# Altium PCB PCB1.PcbDoc (part 4 of 15)
Units mil, origin at the board's own origin, x right, y up, seen from the top; angles counter-clockwise.
Board outline 9210.27 x 4350.4 mil, 4 copper layers (Top Layer, Layer 1, Layer 2, Bottom Layer), stack 23.756 mil thick; 1550 components, 1731 nets, 5200 pads, 1882 vias.
Unrouted connection lines stored in the file: 605.
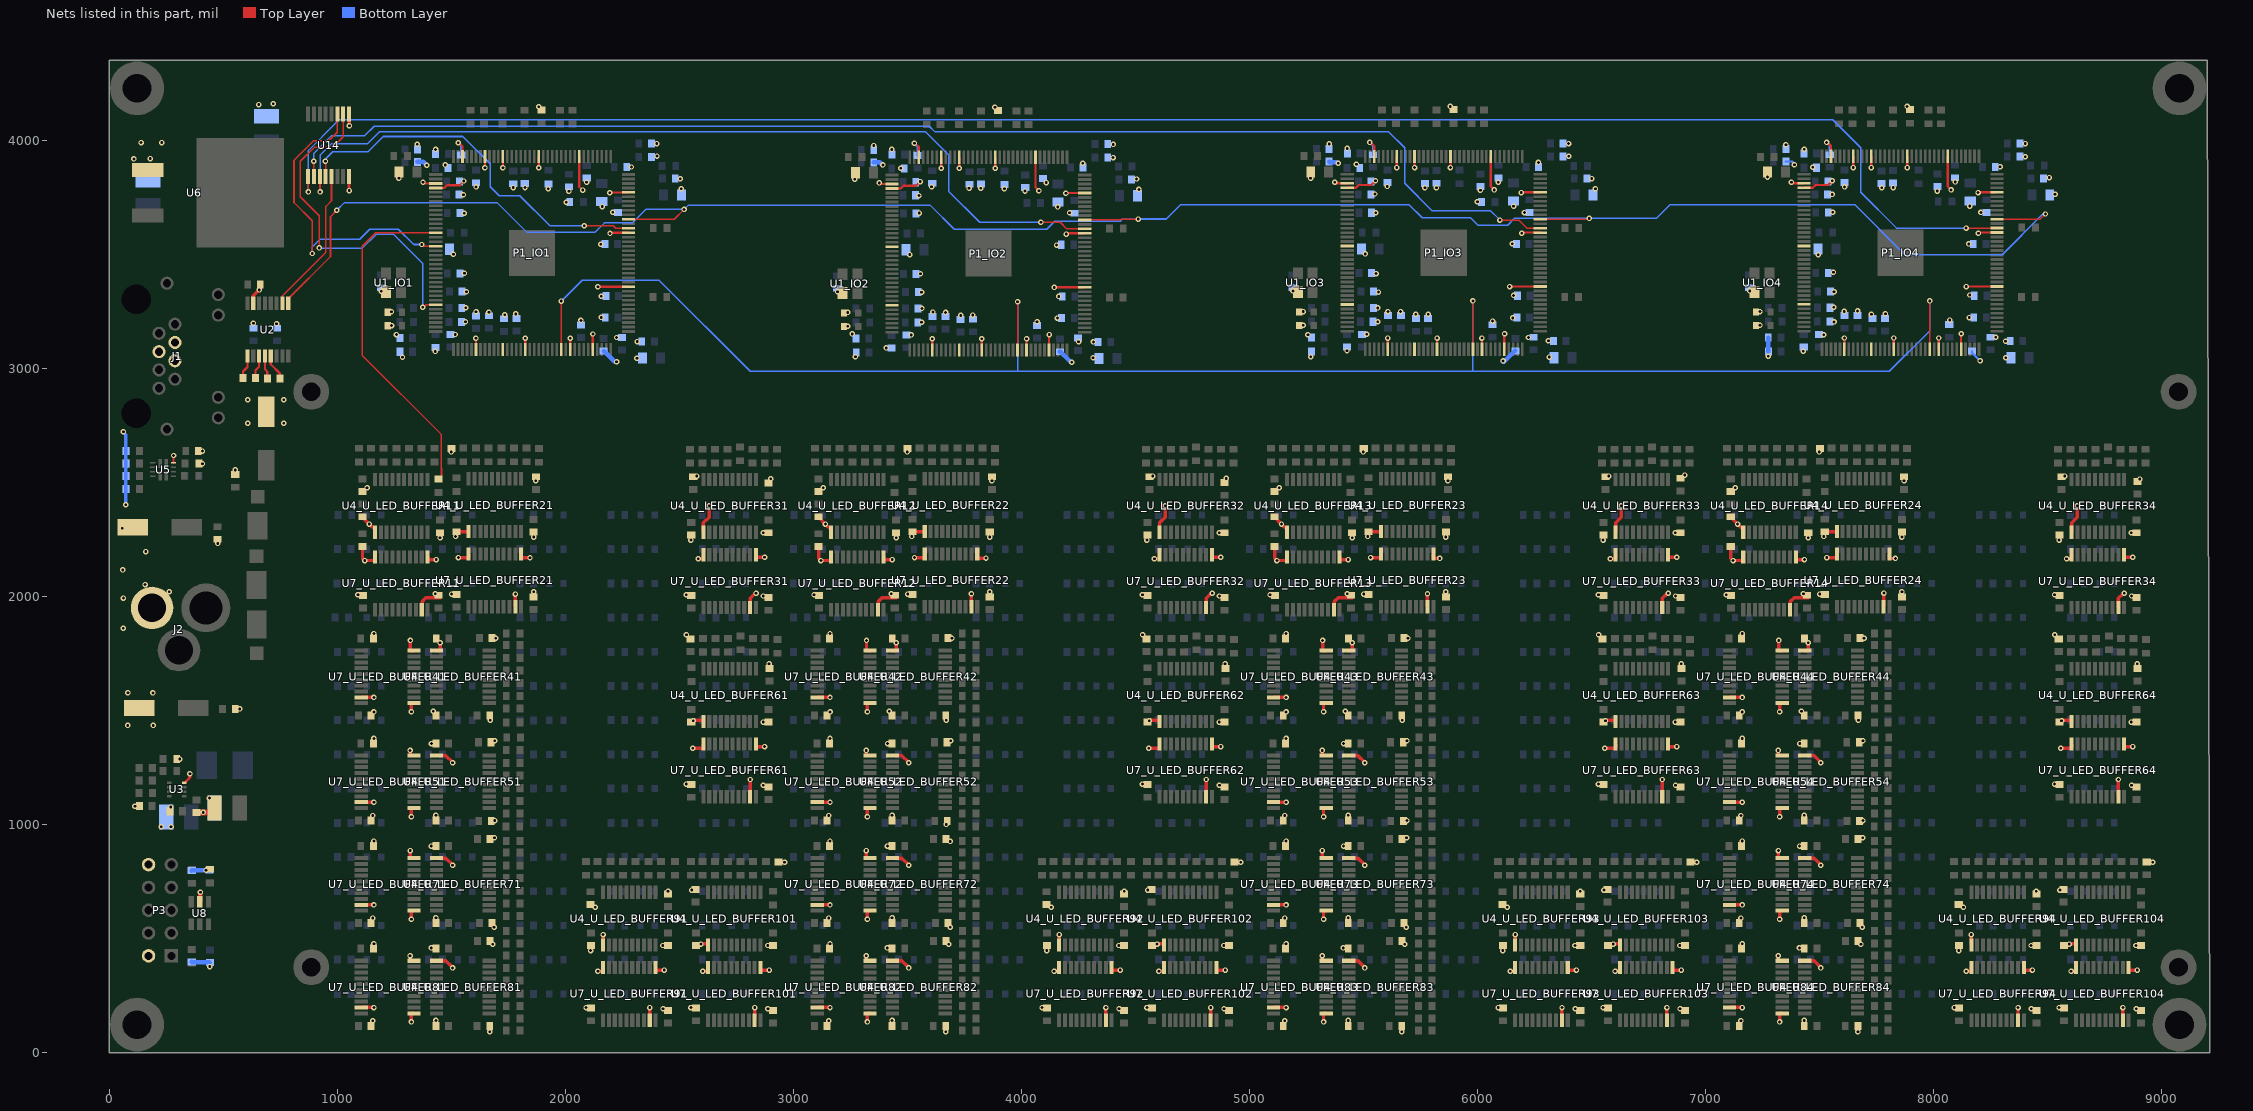
[diagram p6: the nets of this part, all layers, seen from the top]

## Part data (continued)
U4_U_LED_BUFFER11 U4_U_LED_BUFFER12 U4_U_LED_BUFFER13 U4_U_LED_BUFFER14 U4_U_LED_BUFFER21 U4_U_LED_BUFFER22 U4_U_LED_BUFFER23 U4_U_LED_BUFFER24 U4_U_LED_BUFFER31 U4_U_LED_BUFFER32 U4_U_LED_BUFFER33 U4_U_LED_BUFFER34 U4_U_LED_BUFFER41 U4_U_LED_BUFFER42 U4_U_LED_BUFFER43 U4_U_LED_BUFFER44 U4_U_LED_BUFFER51 U4_U_LED_BUFFER52 U4_U_LED_BUFFER53 U4_U_LED_BUFFER54 U4_U_LED_BUFFER61 U4_U_LED_BUFFER62 U4_U_LED_BUFFER63 U4_U_LED_BUFFER64 U4_U_LED_BUFFER71 U4_U_LED_BUFFER72 U4_U_LED_BUFFER73 U4_U_LED_BUFFER74 U4_U_LED_BUFFER81 U4_U_LED_BUFFER82 U4_U_LED_BUFFER83 U4_U_LED_BUFFER84 U4_U_LED_BUFFER91 U4_U_LED_BUFFER92 U4_U_LED_BUFFER93 U4_U_LED_BUFFER94 U4_U_LED_BUFFER101 U4_U_LED_BUFFER102 U4_U_LED_BUFFER103 U4_U_LED_BUFFER104: library part TXS0108EPWR, "Translation - Voltage Levels Dual supply translating transceiver; open drain; auto direction sensing", Mfr="NXP Semiconductors", Mfr Part No=NTS0308EPWJ, PRICE=1.43, Stockiest=MOUSER, Stockiest Part No=771-NTS0308EPWJ
U5 U8: library part ADG708BRUZ, "Multiplexer Switch ICs 8-CHANNEL MUX", Mfr="Analog Devices", Mfr Part No=ADG708BRUZ, PRICE=3.68, Stockiest=MOUSER, Stockiest Part No=584-ADG708BRUZ
U6: library part STM32F101RBT6, "ARM Microcontrollers - MCU 32BIT Cortex M3 128K 16KB RAM 1X12 ADC", Mfr=STMicroelectronics, Mfr Part No=STM32F101RBT6, PRICE=5.12, Stockiest=MOUSER, Stockiest Part No=511-STM32F101RBT6
U7_U_LED_BUFFER11 U7_U_LED_BUFFER12 U7_U_LED_BUFFER13 U7_U_LED_BUFFER14 U7_U_LED_BUFFER21 U7_U_LED_BUFFER22 U7_U_LED_BUFFER23 U7_U_LED_BUFFER24 U7_U_LED_BUFFER31 U7_U_LED_BUFFER32 U7_U_LED_BUFFER33 U7_U_LED_BUFFER34 U7_U_LED_BUFFER41 U7_U_LED_BUFFER42 U7_U_LED_BUFFER43 U7_U_LED_BUFFER44 U7_U_LED_BUFFER51 U7_U_LED_BUFFER52 U7_U_LED_BUFFER53 U7_U_LED_BUFFER54 U7_U_LED_BUFFER61 U7_U_LED_BUFFER62 U7_U_LED_BUFFER63 U7_U_LED_BUFFER64 U7_U_LED_BUFFER71 U7_U_LED_BUFFER72 U7_U_LED_BUFFER73 U7_U_LED_BUFFER74 U7_U_LED_BUFFER81 U7_U_LED_BUFFER82 U7_U_LED_BUFFER83 U7_U_LED_BUFFER84 U7_U_LED_BUFFER91 U7_U_LED_BUFFER92 U7_U_LED_BUFFER93 U7_U_LED_BUFFER94 U7_U_LED_BUFFER101 U7_U_LED_BUFFER102 U7_U_LED_BUFFER103 U7_U_LED_BUFFER104: "Buffers & Line Drivers BUFFER LINE DRIVER", Mfr=Nexperia, Mfr Part No=74LV244APWJ, PRICE=0.464, Stockiest=MOUSER, Stockiest Part No=771-74LV244APWJ
U14: library part MAX3232CPWR, "RS-232 Interface IC 3-5.5V Mult-Ch RS232", Mfr="Texas Instruments", Mfr Part No=MAX3232CPWR, PRICE=0.94, Stockiest=MOUSER, Stockiest Part No=595-MAX3232CPWR

## Free pads (board coordinates)
  round 236.22 hole 125.98: ""(122.05,122.05) ""(122.05,4228.35) ""(9078.74,122.05) ""(9078.74,4228.35)
  round 157.48 hole 82.68: ""(885.83,374.02) ""(885.83,2897.64) ""(9074.8,374.02) ""(9074.8,2897.64)

## Via types
v1: diameter 24, hole 12, Top Layer to Bottom Layer, 1493 vias
v2: diameter 24, hole 12, Top Layer to Bottom Layer, tented both sides, 389 vias

## Nets (pads, with @x,y where several pads share a name; then routed paths per layer and width w, separated by ;. In a path a pad name is that pad's centre, name@x,y a point inside that pad or via, vN(x,y) a via of type N, cw(c..) or ccw(c..) an arc to the next point about the centre after c; other vN are vias at no path point)
BANK_EN0: P1_IO1.17 U14.11 | length 1385.7
  Top Layer w7: v1(889.76,3503.94) 889.76,3647.66 810,3727.43 810,3912.97 895.34,3998.31 962.98,3998.31 1000,4035.33 1000,4106.88 1000.22,4107.1 U14.11@1000.22,4115.81 ; v1@1377.76,3535.64 P1_IO1.17@1431.34,3535.64
  Bottom Layer w7: v1(889.76,3503.94) 889.76,3532.5 924.2,3566.93 1098.43,3566.93 1141.73,3610.24 1267.72,3610.24 1334.65,3543.31 v1(1370.08,3543.31)
BANK_EN0_IO2: P1_IO2.17
BANK_EN0_IO3: P1_IO3.17
BANK_EN0_IO4: P1_IO4.17
BANK_EN1: P1_IO1.30 U14.10 | length 1530.9
  Top Layer w7: v1(921.26,3528.43) 921.26,3669.8 837.78,3753.28 837.78,3908.32 898.61,3969.14 979.14,3969.14 1025.81,4015.81 U14.10@1025.81,4115.81 ; v1(1374.48,3268.66) 1379.08,3268.66 1390.15,3279.73 P1_IO1.30@1431.34,3279.73
  Bottom Layer w7: v1@921.26,3527.56 1110.24,3527.56 1170.33,3587.65 1247,3587.65 1374.48,3460.17 v1(1374.48,3268.66)
BANK_EN1_IO2: P1_IO2.30
BANK_EN1_IO3: P1_IO3.30
BANK_EN1_IO4: P1_IO4.30
BANK_EN2_IO1: P1_IO1.48
BANK_EN2_IO2: P1_IO2.48
BANK_EN2_IO3: P1_IO3.48
BANK_EN2_IO4: P1_IO4.48
C1+: C40.2 U2.1 | length 104.2
  Top Layer w10: C40.2@586.08,2958.27 586.08,2986.41 605.77,3006.1 U2.1@605.77,3054.3
C1-: C40.1 U2.3 | length 102.6
  Top Layer w10: C40.1@641.2,2958.27 641.2,2991.52 656.96,3007.28 U2.3@656.96,3054.3
C2+: C43.2 U2.4 | length 102.2
  Top Layer w10: U2.4@682.55,3054.3 682.55,2996.26 693.14,2985.67 C43.2@693.14,2956.47
C2-: C43.1 U2.5 | length 114.5
  Top Layer w10: U2.5@708.14,3054.3 708.14,3018.27 748.26,2978.15 C43.1@748.26,2956.47
CMD_INT: P1_IO1.61 P1_IO2.61 P1_IO3.61 P1_IO4.61 | length 7884.4
  Top Layer w7: P1_IO1.61@1982.05,3083.35 v2(1982.05,3295.09) v2@1986.83,3299.87 ; P1_IO2.61@3983.15,3080.75 v2(3983.15,3292.49) ; P1_IO3.61@5980.05,3084.2 v2(5980.05,3295.94) v2@5984.83,3300.72 ; P1_IO4.61@7983.05,3084.35 v2(7983.05,3296.09)
  Bottom Layer w7: v2(1982.05,3295.09) 2074.13,3387.17 2410.63,3387.17 2810.63,2987.17 3983.15,2987.17 ; v2(3983.15,3292.49) 3983.15,2987.17 ; v2(5980.05,3295.94) 5980.05,2987.17 ; v2(7983.05,3296.09) 7983.05,3164.47 7805.74,2987.17 5980.05,2987.17 ; 3983.15,2987.17 5980.05,2987.17
CMD_RX: P1_IO1.98 P1_IO2.98 P1_IO3.98 P1_IO4.98 U2.9 | length 9368.3
  Top Layer w7: U2.9@784.91,3285.63 784.91,3305.81 970,3490.9 970,3665.51 v2(997.86,3693.37) v2@998.37,3693.88 ; P1_IO1.98@2276.85,3653.75 2477.21,3653.75 v2(2520.63,3697.17) ; P1_IO2.98@4277.95,3651.15 4434.61,3651.15 4438.43,3654.96 v2(4512.14,3654.96) ; P1_IO3.98@6274.85,3654.6 6487,3654.6 v2(6489.91,3657.51) ; P1_IO4.98@8277.85,3654.75 8468.21,3654.75 v2(8490.63,3677.17)
  Bottom Layer w7: v2(997.86,3693.37) 1031.66,3727.17 1700.63,3727.17 1829.97,3597.83 2131.29,3597.83 2171.41,3637.94 2293.97,3637.94 2353.19,3697.17 v2(2520.63,3697.17) 2538.23,3714.77 3600.96,3714.77 3704.96,3610.76 4111.53,3610.76 4145.8,3645.03 4433.62,3645.03 4443.56,3654.96 v2(4512.14,3654.96) ; v2@4512.14,3655.21 4634.62,3655.21 4697.63,3718.22 5699.78,3718.22 5757.32,3660.68 5969.2,3660.68 6001.85,3628.02 6132.15,3628.02 6162.78,3658.66 6489.91,3658.66 6785.24,3658.66 6844.95,3718.37 7654.35,3718.37 7873.75,3498.96 8300.98,3498.96 8476,3673.98 8487.44,3673.98 v2(8490.63,3677.17)
CMD_TX: U2.10 U14.5 | length 647.1
  Top Layer w7: U2.10@759.32,3285.63 759.32,3318.24 950,3508.92 950,3710 974.63,3734.63 U14.5@974.63,3841.16
  Top Layer w10: U2.10@758.48,3284.8 U2.10@759.32,3285.63 ; U14.5@973.79,3842 U14.5@974.63,3841.16
CMD_TX_IO1: P1_IO1.96 U14.4 | length 1672.6
  Top Layer w7: v1(948.08,3908.54) 948.56,3908.05 948.56,3841.64 U14.4@949.04,3841.16 ; v1(2083.15,3625.37) 2210.63,3625.37 2221.62,3614.38 P1_IO1.96@2276.85,3614.38
  Bottom Layer w7: v1(948.08,3908.54) 951.33,3911.79 951.33,3921.33 980,3950 1134.37,3950 1201.53,4017.17 1550.63,4017.17 1670.63,3897.17 1670.63,3797.17 1710.63,3757.17 1800.63,3757.17 1932.43,3625.37 v1(2083.15,3625.37)
CMD_TX_IO2: P1_IO2.96 U14.3 | length 3895.5
  Top Layer w7: U14.3@923.45,3841.16 923.93,3840.68 923.93,3774.27 v1(924.42,3773.78) ; v1(4085.44,3640.41) 4170.63,3640.41 4199.27,3611.78 P1_IO2.96@4277.95,3611.78
  Bottom Layer w7: v1(924.42,3773.78) 924.42,3934.96 974.88,3985.42 1132.31,3985.42 1184.97,4038.08 3579.71,4038.08 3680.63,3937.17 3680.63,3777.17 3817.38,3640.41 v1(4085.44,3640.41)
CMD_TX_IO3: P1_IO3.96 U14.2 | length 5805.4
  Top Layer w7: v2(896.89,3908.54) 897.38,3908.05 897.38,3841.64 U14.2@897.86,3841.16 ; v2(6098.58,3650.52) 6180.63,3650.52 6215.93,3615.23 P1_IO3.96@6274.85,3615.23
  Bottom Layer w7: v2(896.89,3908.54) 896.89,3942.87 974.98,4020.95 1120.49,4020.95 1161.5,4061.96 3595.83,4061.96 3620.63,4037.17 5610.63,4037.17 5680.63,3967.17 5680.63,3811.96 5802.11,3690.47 6058.63,3690.47 v2(6098.58,3650.52)
CMD_TX_IO4: P1_IO4.96 U14.1 | length 8020.7
  Top Layer w7: U14.1@872.27,3841.16 872.75,3840.68 872.75,3774.27 v1(873.24,3773.78) ; v1(8142.82,3615.38) P1_IO4.96@8277.85,3615.38
  Bottom Layer w7: v1(873.24,3773.78) 873.24,3955.59 990.28,4072.63 1007.49,4089.85 7557.95,4089.85 7680.63,3967.17 7680.63,3771.91 7837.16,3615.38 v1(8142.82,3615.38)
GND: C1_IO1.1 C1_IO2.1 C1_IO3.1 C1_IO4.1 C2_POWER1.2 C2_POWER2.2 C2_POWER3.2 C2_POWER4.2 C3_POWER1.2 C3_POWER2.2 C3_POWER3.2 C3_POWER4.2 C4_POWER1.2 C4_POWER2.2 C4_POWER3.2 C4_POWER4.2 C5_POWER1.2 C5_POWER2.2 C5_POWER3.2 C5_POWER4.2 C6_POWER1.2 C6_POWER2.2 C6_POWER3.2 C6_POWER4.2 C7_POWER1.2 C7_POWER2.2 C7_POWER3.2 C7_POWER4.2 C9_POWER1.2 C9_POWER2.2 C9_POWER3.2 C9_POWER4.2 C10_POWER1.1 C10_POWER2.1 C10_POWER3.1 C10_POWER4.1 C11_POWER1.1 C11_POWER2.1 C11_POWER3.1 C11_POWER4.1 C12_POWER1.2 C12_POWER2.2 C12_POWER3.2 C12_POWER4.2 C13_POWER1.2 C13_POWER2.2 C13_POWER3.2 C13_POWER4.2 C15_POWER1.2 C15_POWER2.2 C15_POWER3.2 C15_POWER4.2 C16_POWER1.2 C16_POWER2.2 C16_POWER3.2 C16_POWER4.2 C17_POWER1.2 C17_POWER2.2 C17_POWER3.2 C17_POWER4.2 C19.1 C20.1 C21.1 C22.1 C23_POWER1.2 C23_POWER2.2 C23_POWER3.2 C23_POWER4.2 C24_POWER1.2 C24_POWER2.2 C24_POWER3.2 C24_POWER4.2 C26.1 C27.1 C28_U_LED_BUFFER11.2 C28_U_LED_BUFFER12.2 C28_U_LED_BUFFER13.2 C28_U_LED_BUFFER14.2 C28_U_LED_BUFFER21.2 C28_U_LED_BUFFER22.2 C28_U_LED_BUFFER23.2 C28_U_LED_BUFFER24.2 C28_U_LED_BUFFER31.2 C28_U_LED_BUFFER32.2 C28_U_LED_BUFFER33.2 C28_U_LED_BUFFER34.2 C28_U_LED_BUFFER41.2 C28_U_LED_BUFFER42.2 C28_U_LED_BUFFER43.2 C28_U_LED_BUFFER44.2 C28_U_LED_BUFFER51.2 C28_U_LED_BUFFER52.2 C28_U_LED_BUFFER53.2 C28_U_LED_BUFFER54.2 C28_U_LED_BUFFER61.2 C28_U_LED_BUFFER62.2 C28_U_LED_BUFFER63.2 C28_U_LED_BUFFER64.2 C28_U_LED_BUFFER71.2 C28_U_LED_BUFFER72.2 C28_U_LED_BUFFER73.2 C28_U_LED_BUFFER74.2 C28_U_LED_BUFFER81.2 C28_U_LED_BUFFER82.2 C28_U_LED_BUFFER83.2 C28_U_LED_BUFFER84.2 C28_U_LED_BUFFER91.2 C28_U_LED_BUFFER92.2 C28_U_LED_BUFFER93.2 C28_U_LED_BUFFER94.2 C28_U_LED_BUFFER101.2 C28_U_LED_BUFFER102.2 C28_U_LED_BUFFER103.2 C28_U_LED_BUFFER104.2 C29.1 C30.1 C31_U_LED_BUFFER11.1 C31_U_LED_BUFFER12.1 C31_U_LED_BUFFER13.1 C31_U_LED_BUFFER14.1 C31_U_LED_BUFFER21.1 C31_U_LED_BUFFER22.1 C31_U_LED_BUFFER23.1 C31_U_LED_BUFFER24.1 C31_U_LED_BUFFER31.1 C31_U_LED_BUFFER32.1 C31_U_LED_BUFFER33.1 C31_U_LED_BUFFER34.1 C31_U_LED_BUFFER41.1 C31_U_LED_BUFFER42.1 C31_U_LED_BUFFER43.1 C31_U_LED_BUFFER44.1 C31_U_LED_BUFFER51.1 C31_U_LED_BUFFER52.1 C31_U_LED_BUFFER53.1 C31_U_LED_BUFFER54.1 C31_U_LED_BUFFER61.1 C31_U_LED_BUFFER62.1 C31_U_LED_BUFFER63.1 C31_U_LED_BUFFER64.1 C31_U_LED_BUFFER71.1 C31_U_LED_BUFFER72.1 C31_U_LED_BUFFER73.1 C31_U_LED_BUFFER74.1 C31_U_LED_BUFFER81.1 C31_U_LED_BUFFER82.1 C31_U_LED_BUFFER83.1 C31_U_LED_BUFFER84.1 C31_U_LED_BUFFER91.1 C31_U_LED_BUFFER92.1 C31_U_LED_BUFFER93.1 C31_U_LED_BUFFER94.1 C31_U_LED_BUFFER101.1 C31_U_LED_BUFFER102.1 C31_U_LED_BUFFER103.1 C31_U_LED_BUFFER104.1 C32_U_LED_BUFFER11.2 C32_U_LED_BUFFER12.2 C32_U_LED_BUFFER13.2 C32_U_LED_BUFFER14.2 C32_U_LED_BUFFER21.2 C32_U_LED_BUFFER22.2 C32_U_LED_BUFFER23.2 C32_U_LED_BUFFER24.2 C32_U_LED_BUFFER31.2 C32_U_LED_BUFFER32.2 C32_U_LED_BUFFER33.2 C32_U_LED_BUFFER34.2 C32_U_LED_BUFFER41.2 C32_U_LED_BUFFER42.2 C32_U_LED_BUFFER43.2 C32_U_LED_BUFFER44.2 C32_U_LED_BUFFER51.2 C32_U_LED_BUFFER52.2 C32_U_LED_BUFFER53.2 C32_U_LED_BUFFER54.2 C32_U_LED_BUFFER61.2 C32_U_LED_BUFFER62.2 C32_U_LED_BUFFER63.2 C32_U_LED_BUFFER64.2 C32_U_LED_BUFFER71.2 C32_U_LED_BUFFER72.2 C32_U_LED_BUFFER73.2 C32_U_LED_BUFFER74.2 C32_U_LED_BUFFER81.2 C32_U_LED_BUFFER82.2 C32_U_LED_BUFFER83.2 C32_U_LED_BUFFER84.2 C32_U_LED_BUFFER91.2 C32_U_LED_BUFFER92.2 C32_U_LED_BUFFER93.2 C32_U_LED_BUFFER94.2 C32_U_LED_BUFFER101.2 C32_U_LED_BUFFER102.2 C32_U_LED_BUFFER103.2 C32_U_LED_BUFFER104.2 C33_U_LED_BUFFER11.1 C33_U_LED_BUFFER12.1 C33_U_LED_BUFFER13.1 C33_U_LED_BUFFER14.1 C33_U_LED_BUFFER21.1 C33_U_LED_BUFFER22.1 C33_U_LED_BUFFER23.1 C33_U_LED_BUFFER24.1 C33_U_LED_BUFFER31.1 C33_U_LED_BUFFER32.1 C33_U_LED_BUFFER33.1 C33_U_LED_BUFFER34.1 C33_U_LED_BUFFER41.1 C33_U_LED_BUFFER42.1 C33_U_LED_BUFFER43.1 C33_U_LED_BUFFER44.1 C33_U_LED_BUFFER51.1 C33_U_LED_BUFFER52.1 C33_U_LED_BUFFER53.1 C33_U_LED_BUFFER54.1 C33_U_LED_BUFFER61.1 C33_U_LED_BUFFER62.1 C33_U_LED_BUFFER63.1 C33_U_LED_BUFFER64.1 C33_U_LED_BUFFER71.1 C33_U_LED_BUFFER72.1 C33_U_LED_BUFFER73.1 C33_U_LED_BUFFER74.1 C33_U_LED_BUFFER81.1 C33_U_LED_BUFFER82.1 C33_U_LED_BUFFER83.1 C33_U_LED_BUFFER84.1 C33_U_LED_BUFFER91.1 C33_U_LED_BUFFER92.1 C33_U_LED_BUFFER93.1 C33_U_LED_BUFFER94.1 C33_U_LED_BUFFER101.1 C33_U_LED_BUFFER102.1 C33_U_LED_BUFFER103.1 C33_U_LED_BUFFER104.1 C34_U_LED_BUFFER11.2 C34_U_LED_BUFFER12.2 C34_U_LED_BUFFER13.2 C34_U_LED_BUFFER14.2 C34_U_LED_BUFFER21.2 C34_U_LED_BUFFER22.2 C34_U_LED_BUFFER23.2 C34_U_LED_BUFFER24.2 C34_U_LED_BUFFER31.2 C34_U_LED_BUFFER32.2 C34_U_LED_BUFFER33.2 C34_U_LED_BUFFER34.2 C34_U_LED_BUFFER41.2 C34_U_LED_BUFFER42.2 C34_U_LED_BUFFER43.2 C34_U_LED_BUFFER44.2 C34_U_LED_BUFFER51.2 C34_U_LED_BUFFER52.2 C34_U_LED_BUFFER53.2 C34_U_LED_BUFFER54.2 C34_U_LED_BUFFER61.2 C34_U_LED_BUFFER62.2 C34_U_LED_BUFFER63.2 C34_U_LED_BUFFER64.2 C34_U_LED_BUFFER71.2 C34_U_LED_BUFFER72.2 C34_U_LED_BUFFER73.2 C34_U_LED_BUFFER74.2 C34_U_LED_BUFFER81.2 C34_U_LED_BUFFER82.2 C34_U_LED_BUFFER83.2 C34_U_LED_BUFFER84.2 C34_U_LED_BUFFER91.2 C34_U_LED_BUFFER92.2 C34_U_LED_BUFFER93.2 C34_U_LED_BUFFER94.2 C34_U_LED_BUFFER101.2 C34_U_LED_BUFFER102.2 C34_U_LED_BUFFER103.2 C34_U_LED_BUFFER104.2 C35_U_LED_BUFFER11.2 C35_U_LED_BUFFER12.2 C35_U_LED_BUFFER13.2 C35_U_LED_BUFFER14.2 C35_U_LED_BUFFER21.2 C35_U_LED_BUFFER22.2 C35_U_LED_BUFFER23.2 C35_U_LED_BUFFER24.2 C35_U_LED_BUFFER31.2 C35_U_LED_BUFFER32.2 C35_U_LED_BUFFER33.2 C35_U_LED_BUFFER34.2 C35_U_LED_BUFFER41.2 C35_U_LED_BUFFER42.2 C35_U_LED_BUFFER43.2 C35_U_LED_BUFFER44.2 C35_U_LED_BUFFER51.2 C35_U_LED_BUFFER52.2 C35_U_LED_BUFFER53.2 C35_U_LED_BUFFER54.2 C35_U_LED_BUFFER61.2 C35_U_LED_BUFFER62.2 C35_U_LED_BUFFER63.2 C35_U_LED_BUFFER64.2 C35_U_LED_BUFFER71.2 C35_U_LED_BUFFER72.2 C35_U_LED_BUFFER73.2 C35_U_LED_BUFFER74.2 C35_U_LED_BUFFER81.2 C35_U_LED_BUFFER82.2 C35_U_LED_BUFFER83.2 C35_U_LED_BUFFER84.2 C35_U_LED_BUFFER91.2 C35_U_LED_BUFFER92.2 C35_U_LED_BUFFER93.2 C35_U_LED_BUFFER94.2 C35_U_LED_BUFFER101.2 C35_U_LED_BUFFER102.2 C35_U_LED_BUFFER103.2 C35_U_LED_BUFFER104.2 C36.1 C37.1 C38.1 C39.1 C41.1 C42.1 C44.1 C45_POWER1.2 C45_POWER2.2 C45_POWER3.2 C45_POWER4.2 C46_POWER1.1 C46_POWER2.1 C46_POWER3.1 C46_POWER4.1 C47_POWER1.2 C47_POWER2.2 C47_POWER3.2 C47_POWER4.2 C48_POWER1.2 C48_POWER2.2 C48_POWER3.2 C48_POWER4.2 C49_POWER1.2 C49_POWER2.2 C49_POWER3.2 C49_POWER4.2 C51_POWER1.2 C51_POWER2.2 C51_POWER3.2 C51_POWER4.2 C52_POWER1.2 C52_POWER2.2 C52_POWER3.2 C52_POWER4.2 C53_POWER1.2 C53_POWER2.2 C53_POWER3.2 C53_POWER4.2 C54_POWER1.2 C54_POWER2.2 C54_POWER3.2 C54_POWER4.2 C55_POWER1.1 C55_POWER2.1 C55_POWER3.1 C55_POWER4.1 C56_POWER1.1 C56_POWER2.1 C56_POWER3.1 C56_POWER4.1 C57_POWER1.2 C57_POWER2.2 C57_POWER3.2 C57_POWER4.2 C58_POWER1.2 C58_POWER2.2 C58_POWER3.2 C58_POWER4.2 C59_POWER1.2 C59_POWER2.2 C59_POWER3.2 C59_POWER4.2 C60_POWER1.2 C60_POWER2.2 C60_POWER3.2 C60_POWER4.2 C61_POWER1.2 C61_POWER2.2 C61_POWER3.2 C61_POWER4.2 C62_POWER1.2 C62_POWER2.2 C62_POWER3.2 C62_POWER4.2 C64_POWER1.2 C64_POWER2.2 C64_POWER3.2 C64_POWER4.2 C65_POWER1.2 C65_POWER2.2 C65_POWER3.2 C65_POWER4.2 C66_POWER1.2 C66_POWER2.2 C66_POWER3.2 C66_POWER4.2 C67_POWER1.2 C67_POWER2.2 C67_POWER3.2 C67_POWER4.2 C68_POWER1.2 C68_POWER2.2 C68_POWER3.2 C68_POWER4.2 C69_POWER1.1 C69_POWER2.1 C69_POWER3.1 C69_POWER4.1 C70_POWER1.1 C70_POWER2.1 C70_POWER3.1 C70_POWER4.1 C71_POWER1.1 C71_POWER2.1 C71_POWER3.1 C71_POWER4.1 C72_POWER1.1 C72_POWER2.1 C72_POWER3.1 C72_POWER4.1 C73.2 C74.1 C75.1 C76.2 C77.1 C78.1 C79.2 D1_IO1.2 D1_IO2.2 D1_IO3.2 D1_IO4.2 D2_IO1.2 D2_IO2.2 D2_IO3.2 D2_IO4.2 J1.4 J1.5 J1.6 J2.2 P1_IO1.3 P1_IO1.4 P1_IO1.42 P1_IO1.53 P1_IO1.63 P1_IO1.68 P1_IO1.83 P1_IO1.95 P1_IO1.104 P1_IO1.116 P1_IO1.125 P1_IO1.133 P1_IO1.137 P1_IO1.142 P1_IO2.3 P1_IO2.4 P1_IO2.42 P1_IO2.53 P1_IO2.63 P1_IO2.68 P1_IO2.83 P1_IO2.95 P1_IO2.104 P1_IO2.116 P1_IO2.125 P1_IO2.133 P1_IO2.137 P1_IO2.142 P1_IO3.3 P1_IO3.4 P1_IO3.42 P1_IO3.53 P1_IO3.63 P1_IO3.68 P1_IO3.83 P1_IO3.95 P1_IO3.104 P1_IO3.116 P1_IO3.125 P1_IO3.133 P1_IO3.137 P1_IO3.142 P1_IO4.3 P1_IO4.4 P1_IO4.42 P1_IO4.53 P1_IO4.63 P1_IO4.68 P1_IO4.83 P1_IO4.95 P1_IO4.104 P1_IO4.116 P1_IO4.125 P1_IO4.133 P1_IO4.137 P1_IO4.142 P3.2 P3.10 R12.1 R13_IO1.1 R13_IO2.1 R13_IO3.1 R13_IO4.1 R23.2 R24.2 R25.2 R29.2 R32.2 R38.1 R39.2 R40.2 R43.1 R44.2 U1_IO1.2 U1_IO2.2 U1_IO3.2 U1_IO4.2 U2.15 U3.4 U4_U_LED_BUFFER11.11 U4_U_LED_BUFFER12.11 U4_U_LED_BUFFER13.11 U4_U_LED_BUFFER14.11 U4_U_LED_BUFFER21.11 U4_U_LED_BUFFER22.11 U4_U_LED_BUFFER23.11 U4_U_LED_BUFFER24.11 U4_U_LED_BUFFER31.11 U4_U_LED_BUFFER32.11 U4_U_LED_BUFFER33.11 U4_U_LED_BUFFER34.11 U4_U_LED_BUFFER41.11 U4_U_LED_BUFFER42.11 U4_U_LED_BUFFER43.11 U4_U_LED_BUFFER44.11 U4_U_LED_BUFFER51.11 U4_U_LED_BUFFER52.11 U4_U_LED_BUFFER53.11 U4_U_LED_BUFFER54.11 U4_U_LED_BUFFER61.11 U4_U_LED_BUFFER62.11 U4_U_LED_BUFFER63.11 U4_U_LED_BUFFER64.11 U4_U_LED_BUFFER71.11 U4_U_LED_BUFFER72.11 U4_U_LED_BUFFER73.11 U4_U_LED_BUFFER74.11 U4_U_LED_BUFFER81.11 U4_U_LED_BUFFER82.11 U4_U_LED_BUFFER83.11 U4_U_LED_BUFFER84.11 U4_U_LED_BUFFER91.11 U4_U_LED_BUFFER92.11 U4_U_LED_BUFFER93.11 U4_U_LED_BUFFER94.11 U4_U_LED_BUFFER101.11 U4_U_LED_BUFFER102.11 U4_U_LED_BUFFER103.11 U4_U_LED_BUFFER104.11 U5.12 U6.1 U7_U_LED_BUFFER11.1 U7_U_LED_BUFFER11.10 U7_U_LED_BUFFER11.19 U7_U_LED_BUFFER12.1 U7_U_LED_BUFFER12.10 U7_U_LED_BUFFER12.19 U7_U_LED_BUFFER13.1 U7_U_LED_BUFFER13.10 U7_U_LED_BUFFER13.19 U7_U_LED_BUFFER14.1 U7_U_LED_BUFFER14.10 U7_U_LED_BUFFER14.19 U7_U_LED_BUFFER21.1 U7_U_LED_BUFFER21.10 U7_U_LED_BUFFER21.19 U7_U_LED_BUFFER22.1 U7_U_LED_BUFFER22.10 U7_U_LED_BUFFER22.19 U7_U_LED_BUFFER23.1 U7_U_LED_BUFFER23.10 U7_U_LED_BUFFER23.19 U7_U_LED_BUFFER24.1 U7_U_LED_BUFFER24.10 U7_U_LED_BUFFER24.19 U7_U_LED_BUFFER31.1 U7_U_LED_BUFFER31.10 U7_U_LED_BUFFER31.19 U7_U_LED_BUFFER32.1 U7_U_LED_BUFFER32.10 U7_U_LED_BUFFER32.19 U7_U_LED_BUFFER33.1 U7_U_LED_BUFFER33.10 U7_U_LED_BUFFER33.19 U7_U_LED_BUFFER34.1 U7_U_LED_BUFFER34.10 U7_U_LED_BUFFER34.19 U7_U_LED_BUFFER41.1 U7_U_LED_BUFFER41.10 U7_U_LED_BUFFER41.19 U7_U_LED_BUFFER42.1 U7_U_LED_BUFFER42.10 U7_U_LED_BUFFER42.19 U7_U_LED_BUFFER43.1 U7_U_LED_BUFFER43.10 U7_U_LED_BUFFER43.19 U7_U_LED_BUFFER44.1 U7_U_LED_BUFFER44.10 U7_U_LED_BUFFER44.19 U7_U_LED_BUFFER51.1 U7_U_LED_BUFFER51.10 U7_U_LED_BUFFER51.19 U7_U_LED_BUFFER52.1 U7_U_LED_BUFFER52.10 U7_U_LED_BUFFER52.19 U7_U_LED_BUFFER53.1 U7_U_LED_BUFFER53.10 U7_U_LED_BUFFER53.19 U7_U_LED_BUFFER54.1 U7_U_LED_BUFFER54.10 U7_U_LED_BUFFER54.19 U7_U_LED_BUFFER61.1 U7_U_LED_BUFFER61.10 U7_U_LED_BUFFER61.19 U7_U_LED_BUFFER62.1 U7_U_LED_BUFFER62.10 U7_U_LED_BUFFER62.19 U7_U_LED_BUFFER63.1 U7_U_LED_BUFFER63.10 U7_U_LED_BUFFER63.19 U7_U_LED_BUFFER64.1 U7_U_LED_BUFFER64.10 U7_U_LED_BUFFER64.19 U7_U_LED_BUFFER71.1 U7_U_LED_BUFFER71.10 U7_U_LED_BUFFER71.19 U7_U_LED_BUFFER72.1 U7_U_LED_BUFFER72.10 U7_U_LED_BUFFER72.19 U7_U_LED_BUFFER73.1 U7_U_LED_BUFFER73.10 U7_U_LED_BUFFER73.19 U7_U_LED_BUFFER74.1 U7_U_LED_BUFFER74.10 U7_U_LED_BUFFER74.19 U7_U_LED_BUFFER81.1 U7_U_LED_BUFFER81.10 U7_U_LED_BUFFER81.19 U7_U_LED_BUFFER82.1 U7_U_LED_BUFFER82.10 U7_U_LED_BUFFER82.19 U7_U_LED_BUFFER83.1 U7_U_LED_BUFFER83.10 U7_U_LED_BUFFER83.19 U7_U_LED_BUFFER84.1 U7_U_LED_BUFFER84.10 U7_U_LED_BUFFER84.19 U7_U_LED_BUFFER91.1 U7_U_LED_BUFFER91.10 U7_U_LED_BUFFER91.19 U7_U_LED_BUFFER92.1 U7_U_LED_BUFFER92.10 U7_U_LED_BUFFER92.19 U7_U_LED_BUFFER93.1 U7_U_LED_BUFFER93.10 U7_U_LED_BUFFER93.19 U7_U_LED_BUFFER94.1 U7_U_LED_BUFFER94.10 U7_U_LED_BUFFER94.19 U7_U_LED_BUFFER101.1 U7_U_LED_BUFFER101.10 U7_U_LED_BUFFER101.19 U7_U_LED_BUFFER102.1 U7_U_LED_BUFFER102.10 U7_U_LED_BUFFER102.19 U7_U_LED_BUFFER103.1 U7_U_LED_BUFFER103.10 U7_U_LED_BUFFER103.19 U7_U_LED_BUFFER104.1 U7_U_LED_BUFFER104.10 U7_U_LED_BUFFER104.19 U8.2 U14.8 U14.9 | length 16180.9
  Top Layer w10: U5.12@281.84,2585.89 v2(281.84,2618.1) ; v1(1375.83,3815.87) 1380.47,3811.23 P1_IO1.3@1431.34,3811.23 ; P1_IO1.4@1431.34,3791.54 1469.2,3791.54 1481.36,3803.7 1536.67,3803.7 v1(1554.83,3821.87) ; v1(1529.83,3989.87) 1533.83,3989.87 1548.98,3974.72 P1_IO1.142@1548.98,3928.87 P1_IO1.142@1548.07,3927.96 ; P1_IO1.42@1608.03,3083.35 v1(1608.03,3132.3) ; v1(1647.4,3879.92) P1_IO1.137@1647.4,3928.87 ; v1(1726.14,3879.92) P1_IO1.133@1726.14,3928.87 ; P1_IO1.53@1824.57,3083.35 v1(1824.57,3132.3) ; v1(1883.63,3879.92) P1_IO1.125@1883.63,3928.87 ; P1_IO1.63@2021.42,3083.35 v1(2021.42,3132.3) ; P1_IO1.116@2060.79,3928.87 2060.79,3796.9 v1(2075.83,3781.87) ; P1_IO1.68@2119.85,3083.35 2119.85,3149.88 v1(2120.83,3150.87) ; v1(2142.83,3357.87) 2139.55,3357.87 2139.85,3358.17 2276.55,3358.17 P1_IO1.83@2276.85,3358.47 ; v1(2194.29,3770.24) 2195.9,3771.86 P1_IO1.104@2276.85,3771.86 ; v1(2195.83,3591.87) 2199.62,3591.87 2202.45,3594.69 P1_IO1.95@2276.85,3594.69 ; v1(3376.93,3813.27) 3381.57,3808.63 P1_IO2.3@3432.44,3808.63 ; P1_IO2.4@3432.44,3788.94 3470.3,3788.94 3482.46,3801.1 3537.77,3801.1 v1(3555.93,3819.27) ; v1(3530.93,3987.27) 3534.93,3987.27 3550.08,3972.12 P1_IO2.142@3550.08,3926.27 P1_IO2.142@3549.17,3925.36 ; P1_IO2.42@3609.13,3080.75 v1(3609.13,3129.7) ; v1(3648.5,3877.32) P1_IO2.137@3648.5,3926.27 ; v1(3727.24,3877.32) P1_IO2.133@3727.24,3926.27 ; P1_IO2.53@3825.67,3080.75 v1(3825.67,3129.7) ; v1(3884.73,3877.32) P1_IO2.125@3884.73,3926.27 ; P1_IO2.63@4022.52,3080.75 v1(4022.52,3129.7) ; P1_IO2.116@4061.89,3926.27 4061.89,3794.3 v1(4076.93,3779.27) ; P1_IO2.68@4120.95,3080.75 4120.95,3147.28 v1(4121.93,3148.27) ; v1(4143.93,3355.27) 4140.65,3355.27 4140.95,3355.57 4277.65,3355.57 P1_IO2.83@4277.95,3355.87 ; v1(4195.39,3767.64) 4197,3769.26 P1_IO2.104@4277.95,3769.26 ; v1(4196.93,3589.27) 4200.72,3589.27 4203.55,3592.09 P1_IO2.95@4277.95,3592.09 ; v1(5373.83,3816.72) 5378.47,3812.08 P1_IO3.3@5429.34,3812.08 ; P1_IO3.4@5429.34,3792.39 5467.2,3792.39 5479.36,3804.55 5534.67,3804.55 v1(5552.83,3822.72) ; v1(5527.83,3990.72) 5531.83,3990.72 5546.98,3975.57 P1_IO3.142@5546.98,3929.72 P1_IO3.142@5546.07,3928.81 ; P1_IO3.42@5606.03,3084.2 v1(5606.03,3133.15) ; v1(5645.4,3880.77) P1_IO3.137@5645.4,3929.72 ; v1(5724.14,3880.77) P1_IO3.133@5724.14,3929.72 ; P1_IO3.53@5822.57,3084.2 v1(5822.57,3133.15) ; v1(5881.63,3880.77) P1_IO3.125@5881.63,3929.72 ; P1_IO3.63@6019.42,3084.2 v1(6019.42,3133.15) ; P1_IO3.116@6058.79,3929.72 6058.79,3797.75 v1(6073.83,3782.72) ; P1_IO3.68@6117.85,3084.2 6117.85,3150.73 v1(6118.83,3151.72) ; v1(6140.83,3358.72) 6137.55,3358.72 6137.85,3359.02 6274.55,3359.02 P1_IO3.83@6274.85,3359.32 ; v1(6192.29,3771.09) 6193.9,3772.71 P1_IO3.104@6274.85,3772.71 ; v1(6193.83,3592.72) 6197.62,3592.72 6200.45,3595.54 P1_IO3.95@6274.85,3595.54 ; v1(7376.83,3816.87) 7381.47,3812.23 P1_IO4.3@7432.34,3812.23 ; P1_IO4.4@7432.34,3792.54 7470.2,3792.54 7482.36,3804.7 7537.67,3804.7 v1(7555.83,3822.87) ; v1(7530.83,3990.87) 7534.83,3990.87 7549.98,3975.72 P1_IO4.142@7549.98,3929.87 P1_IO4.142@7549.07,3928.96 ; P1_IO4.42@7609.03,3084.35 v1(7609.03,3133.3) ; v1(7648.4,3880.92) P1_IO4.137@7648.4,3929.87 ; v1(7727.14,3880.92) P1_IO4.133@7727.14,3929.87 ; P1_IO4.53@7825.57,3084.35 v1(7825.57,3133.3) ; v1(7884.63,3880.92) P1_IO4.125@7884.63,3929.87 ; P1_IO4.63@8022.42,3084.35 v1(8022.42,3133.3) ; P1_IO4.116@8061.79,3929.87 8061.79,3797.9 v1(8076.83,3782.87) ; P1_IO4.68@8120.85,3084.35 8120.85,3150.88 v1(8121.83,3151.87) ; v1(8143.83,3358.87) 8140.55,3358.87 8140.85,3359.17 8277.55,3359.17 P1_IO4.83@8277.85,3359.47 ; v1(8195.29,3771.24) 8196.9,3772.86 P1_IO4.104@8277.85,3772.86 ; v1(8196.83,3592.87) 8200.62,3592.87 8203.45,3595.69 P1_IO4.95@8277.85,3595.69